# Allegro board AM335x_ICE_3H0013_PCB_REV_2_1A.brd (continued)
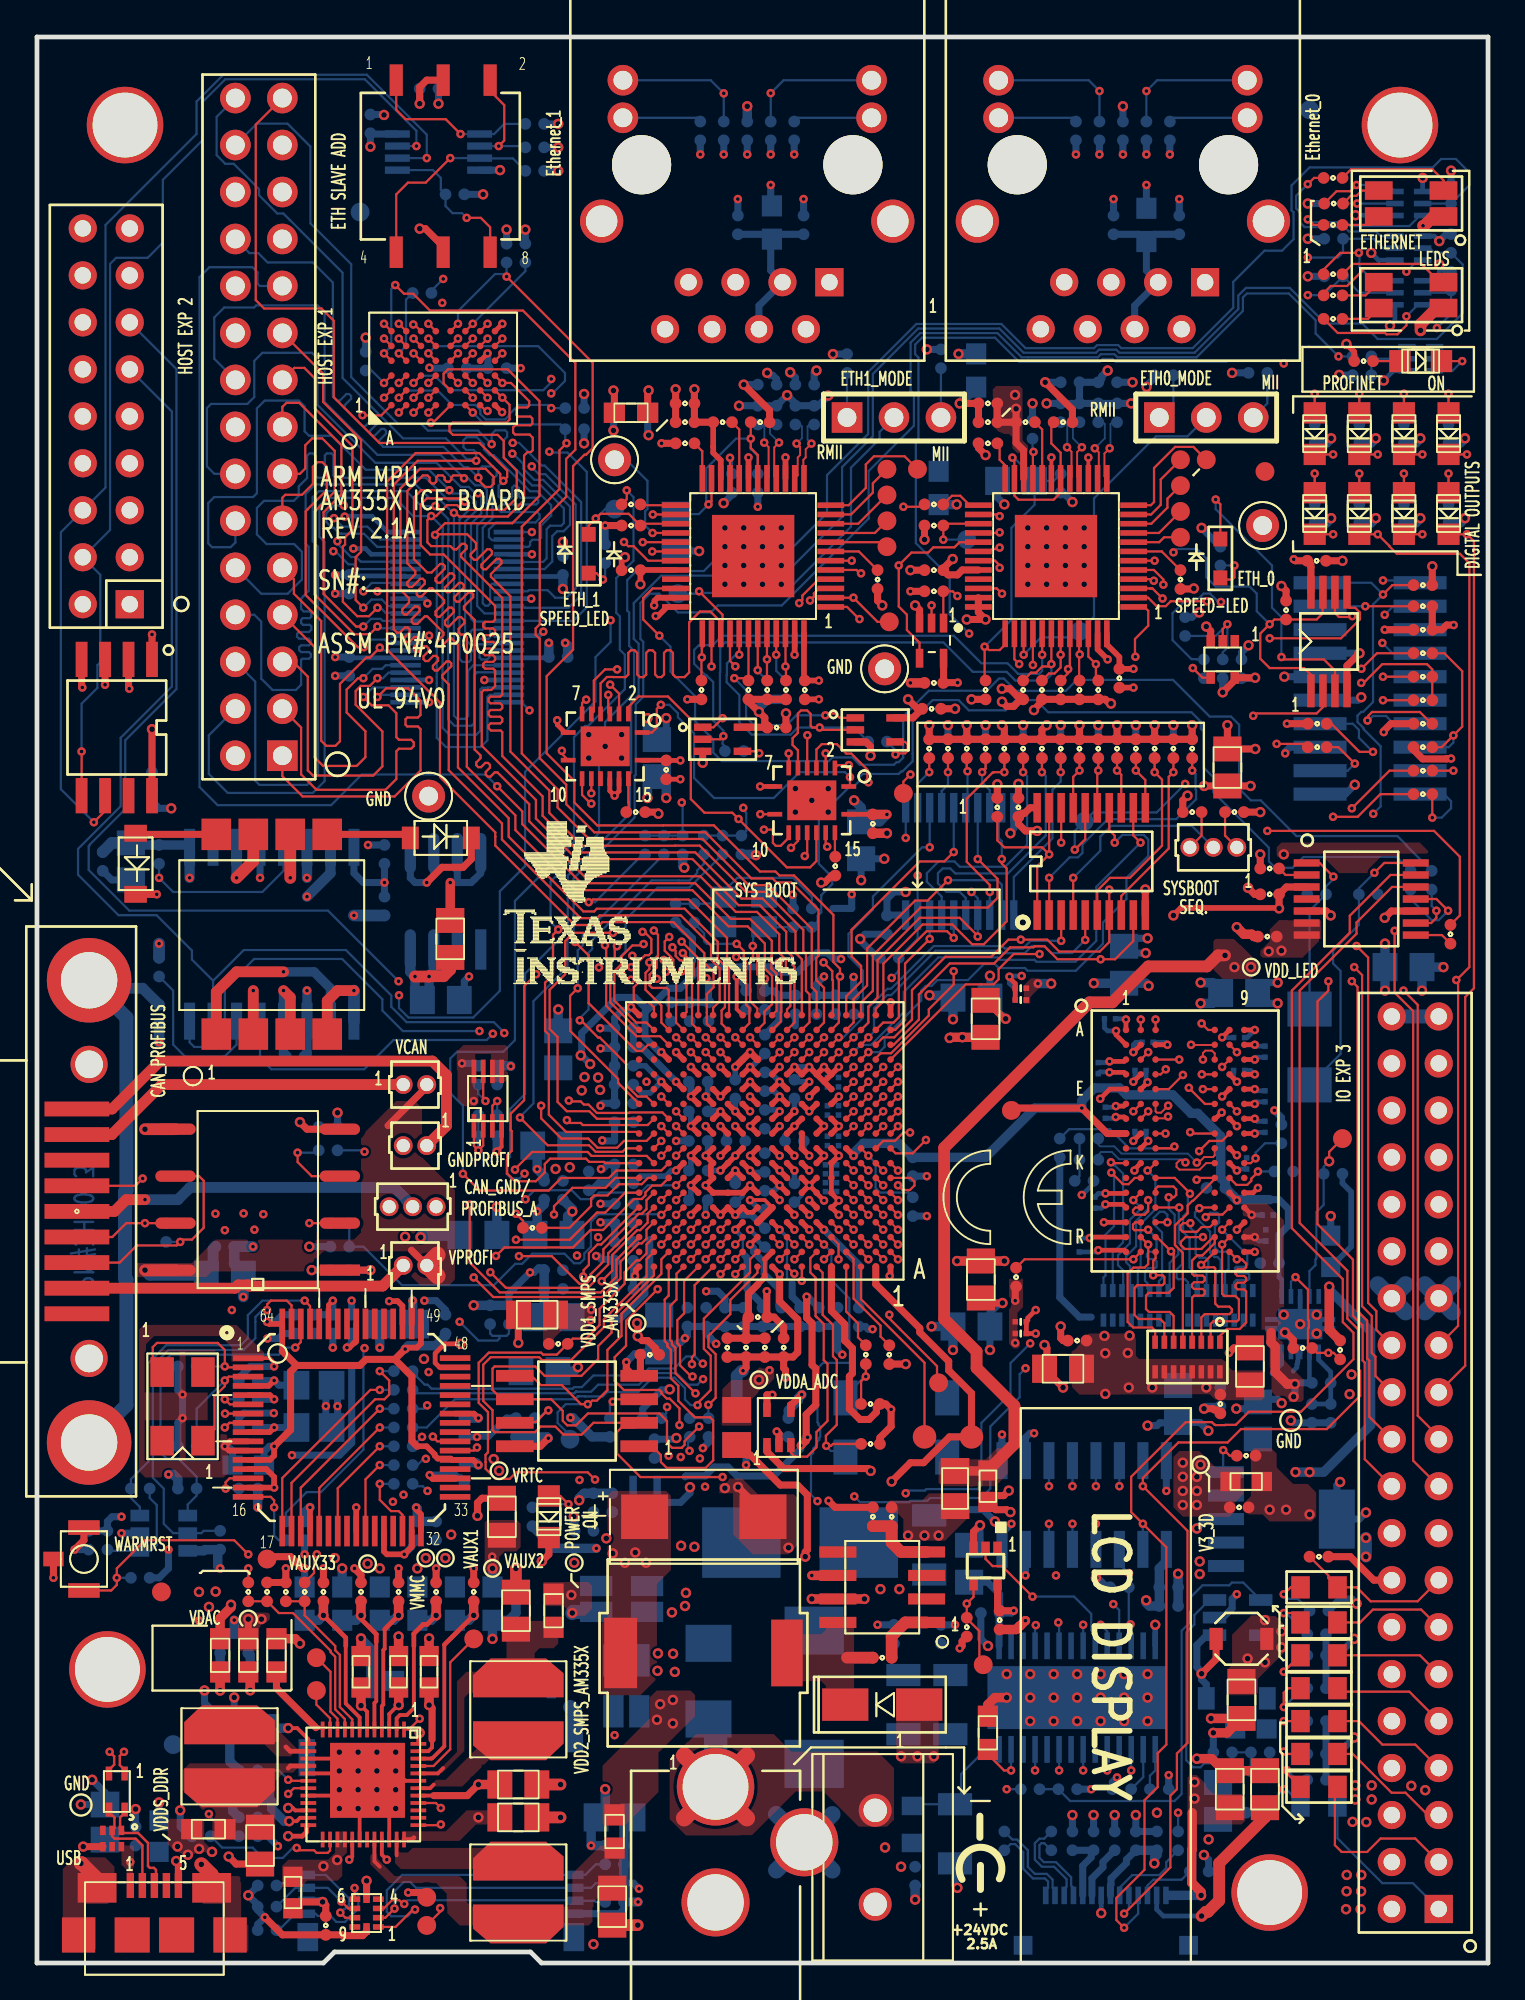
[diagram p0: board, top side]
## Footprints (pads in the part's own frame, mm; a bottom-side part is the same pattern mirrored in y, then rotated) (continued)
CNRAPC722
  round 4.191 hole 3.556: 1(0,0)
  round 3.683 hole 3.048: 2(4.801,-2.997) 3(0,-6.248)
CNRJ45-1X1WLED
  round 3.2 hole 3.2 unplated: (-1.27,-6.35) (10.16,-6.35)
  rect 1.525x1.525 hole 0.89: 1(0,0)
  round 1.525 hole 0.89: 2(1.27,2.54) 3(2.54,0) 4(3.81,2.54) 5(5.08,0) 6(6.35,2.54) 7(7.62,0) 8(8.89,2.54)
  round 1.655 hole 1.02: 9(11.17,-8.89) 10(11.17,-10.92) 11(-2.28,-8.89) 12(-2.28,-10.92)
  round 2.337 hole 1.702: 13(-3.43,-3.3) 14(12.32,-3.3)
CON14_P5MM_3P75X9P5SMD
  rect 1.016x1.016 smd: (-1.025,-4.475) (-1.025,4.475)
  rect 0.95x0.305 smd: 1(1.675,3.25) 2(1.675,2.75) 3(1.675,2.25) 4(1.675,1.75) 5(1.675,1.25) 6(1.675,0.75) 7(1.675,0.25) 8(1.675,-0.25) 9(1.675,-0.75) 10(1.675,-1.25) 11(1.675,-1.75) 12(1.675,-2.25) 13(1.675,-2.75) 14(1.675,-3.25)
CONN_OSTTC02
  round 1.778 hole 1.27: 1(0,0) 2(5.08,0)
DA2304
  rect 1.7x1.6 smd: 1(-5.4,3) 2(-5.4,1) 3(-5.4,-1) 4(-5.4,-3) 5(5.4,-3) 6(5.4,-1) 7(5.4,1) 8(5.4,3)
DBV5
  rect 0.635x1.27 smd: 1(-0.95,-1.25) 2(0,-1.25) 3(0.95,-1.25) 4(0.95,1.25) 5(-0.95,1.25)
DCK5
  rect 0.46x0.66 smd: 1(-0.65,-0.991) 2(0,-0.991) 3(0.65,-0.991) 4(0.65,0.991) 5(-0.65,0.991)
DO157LS_116X220SMA
  rect 2.5x1.75 smd: 1(-2,0) 2(2,0)
DRCPSO_10PIN
  rect 0.8x0.25 smd: 1(-1.5,1) 2(-1.5,0.5) 3(-1.5,0) 4(-1.5,-0.5) 5(-1.5,-1) 6(1.5,-1) 7(1.5,-0.5) 8(1.5,0) 9(1.5,0.5) 10(1.5,1)
  custom 1.65x3.8 smd: 11(0,0)
EXB-2HV330JV
  rect 0.305x0.711 smd: 1(-1.75,-0.8) 2(-1.25,-0.8) 3(-0.75,-0.8) 4(-0.25,-0.8) 5(0.25,-0.8) 6(0.75,-0.8) 7(1.25,-0.8) 8(1.75,-0.8) 9(1.75,0.8) 10(1.25,0.8) 11(0.75,0.8) 12(0.25,0.8) 13(-0.25,0.8) 14(-0.75,0.8) 15(-1.25,0.8) 16(-1.75,0.8)
HDR2X9VER_335M
  rect 1.524x1.524 hole 0.889: 1(0,0)
  round 1.524 hole 0.889: 2(0,2.54) 3(2.54,0) 4(2.54,2.54) 5(5.08,0) 6(5.08,2.54) 7(7.62,0) 8(7.62,2.54) 9(10.16,0) 10(10.16,2.54) 11(12.7,0) 12(12.7,2.54) 13(15.24,0) 14(15.24,2.54) 15(17.78,0) 16(17.78,2.54) 17(20.32,0) 18(20.32,2.54)
HDR2X15-344M
  rect 1.655x1.655 hole 1.02: 1(0,0)
  round 1.655 hole 1.02: 2(0,2.54) 3(2.54,0) 4(2.54,2.54) 5(5.08,0) 6(5.08,2.54) 7(7.62,0) 8(7.62,2.54) 9(10.16,0) 10(10.16,2.54) 11(12.7,0) 12(12.7,2.54) 13(15.24,0) 14(15.24,2.54) 15(17.78,0) 16(17.78,2.54) 17(20.32,0) 18(20.32,2.54) 19(22.86,0) 20(22.86,2.54) 21(25.4,0) 22(25.4,2.54) 23(27.94,0) 24(27.94,2.54) 25(30.48,0) 26(30.48,2.54) 27(33.02,0) 28(33.02,2.54) 29(35.56,0) 30(35.56,2.54)
HDR2X20-335M
  rect 1.524x1.524 hole 0.889: 1(0,0)
  round 1.524 hole 0.889: 2(0,2.54) 3(2.54,0) 4(2.54,2.54) 5(5.08,0) 6(5.08,2.54) 7(7.62,0) 8(7.62,2.54) 9(10.16,0) 10(10.16,2.54) 11(12.7,0) 12(12.7,2.54) 13(15.24,0) 14(15.24,2.54) 15(17.78,0) 16(17.78,2.54) 17(20.32,0) 18(20.32,2.54) 19(22.86,0) 20(22.86,2.54) 21(25.4,0) 22(25.4,2.54) 23(27.94,0) 24(27.94,2.54) 25(30.48,0) 26(30.48,2.54) 27(33.02,0) 28(33.02,2.54) 29(35.56,0) 30(35.56,2.54) 31(38.1,0) 32(38.1,2.54) 33(40.64,0) 34(40.64,2.54) 35(43.18,0) 36(43.18,2.54) 37(45.72,0) 38(45.72,2.54) 39(48.26,0) 40(48.26,2.54)
HEADER10X2
  rect 0.711x2.87 smd: 1(-5.715,-2.705) 2(-5.715,2.705) 3(-4.445,-2.705) 4(-4.445,2.705) 5(-3.175,-2.705) 6(-3.175,2.705) 7(-1.905,-2.705) 8(-1.905,2.705) 9(-0.635,-2.705) 10(-0.635,2.705) 11(0.635,-2.705) 12(0.635,2.705) 13(1.905,-2.705) 14(1.905,2.705) 15(3.175,-2.705) 16(3.175,2.705) 17(4.445,-2.705) 18(4.445,2.705) 19(5.715,-2.705) 20(5.715,2.705)
HEADER_3X1
  rect 1.651x1.651 hole 1.016: 1(0,0)
  round 1.651 hole 1.016: 2(2.54,0) 3(5.08,0)
HTQFP_48PIN
  rect 1.45x0.3 smd: 1(-4.2,2.75) 2(-4.2,2.25) 3(-4.2,1.75) 4(-4.2,1.25) 5(-4.2,0.75) 6(-4.2,0.25) 7(-4.2,-0.25) 8(-4.2,-0.75) 9(-4.2,-1.25) 10(-4.2,-1.75) 11(-4.2,-2.25) 12(-4.2,-2.75) 25(4.2,-2.75) 26(4.2,-2.25) 27(4.2,-1.75) 28(4.2,-1.25) 29(4.2,-0.75) 30(4.2,-0.25) 31(4.2,0.25) 32(4.2,0.75) 33(4.2,1.25) 34(4.2,1.75) 35(4.2,2.25) 36(4.2,2.75)
  rect 0.3x1.45 smd: 13(-2.75,-4.2) 14(-2.25,-4.2) 15(-1.75,-4.2) 16(-1.25,-4.2) 17(-0.75,-4.2) 18(-0.25,-4.2) 19(0.25,-4.2) 20(0.75,-4.2) 21(1.25,-4.2) 22(1.75,-4.2) 23(2.25,-4.2) 24(2.75,-4.2) 37(2.75,4.2) 38(2.25,4.2) 39(1.75,4.2) 40(1.25,4.2) 41(0.75,4.2) 42(0.25,4.2) 43(-0.25,4.2) 44(-0.75,4.2) 45(-1.25,4.2) 46(-1.75,4.2) 47(-2.25,4.2) 48(-2.75,4.2)
  rect 4.45x4.45 smd: 49(0,0)
IND108SMD_110X102
  rect 0.711x1.194 smd: 1(-1.372,0) 2(1.372,0)
IND_354SMD_400SQ
  rect 1.702x3.607 smd: 1(-4.496,0)
  rect 1.778x3.81 smd: 2(4.496,0)
LED-SM1210
  rect 1.5x1 smd: 1(-1.75,0.7) 2(-1.75,-0.7) 3(1.75,0.7) 4(1.75,-0.7)
LEDLTST-S220
  rect 0.8x0.75 smd: 1(-1.05,0) 2(1.05,0)
LQFP64_10X10
  rect 1.651x0.305 smd: 1(-5.6,3.75) 2(-5.6,3.25) 3(-5.6,2.75) 4(-5.6,2.25) 5(-5.6,1.75) 6(-5.6,1.25) 7(-5.6,0.75) 8(-5.6,0.25) 9(-5.6,-0.25) 10(-5.6,-0.75) 11(-5.6,-1.25) 12(-5.6,-1.75) 13(-5.6,-2.25) 14(-5.6,-2.75) 15(-5.6,-3.25) 16(-5.6,-3.75) 33(5.6,-3.75) 34(5.6,-3.25) 35(5.6,-2.75) 36(5.6,-2.25) 37(5.6,-1.75) 38(5.6,-1.25) 39(5.6,-0.75) 40(5.6,-0.25) 41(5.6,0.25) 42(5.6,0.75) 43(5.6,1.25) 44(5.6,1.75) 45(5.6,2.25) 46(5.6,2.75) 47(5.6,3.25) 48(5.6,3.75)
  rect 0.305x1.651 smd: 17(-3.75,-5.6) 18(-3.25,-5.6) 19(-2.75,-5.6) 20(-2.25,-5.6) 21(-1.75,-5.6) 22(-1.25,-5.6) 23(-0.75,-5.6) 24(-0.25,-5.6) 25(0.25,-5.6) 26(0.75,-5.6) 27(1.25,-5.6) 28(1.75,-5.6) 29(2.25,-5.6) 30(2.75,-5.6) 31(3.25,-5.6) 32(3.75,-5.6) 49(3.75,5.6) 50(3.25,5.6) 51(2.75,5.6) 52(2.25,5.6) 53(1.75,5.6) 54(1.25,5.6) 55(0.75,5.6) 56(0.25,5.6) 57(-0.25,5.6) 58(-0.75,5.6) 59(-1.25,5.6) 60(-1.75,5.6) 61(-2.25,5.6) 62(-2.75,5.6) 63(-3.25,5.6) 64(-3.75,5.6)
MBR0520L
  rect 0.914x1.219 smd: 1(1.651,0) 2(-1.651,0)
MBRS140T
  rect 2.007x2.489 smd: 1(-2.045,0) 2(2.045,0)
MC-306
  rect 1.3x1.9 smd: 1(-2.75,-1.6) 2(2.75,-1.6) 3(2.75,1.6) 4(-2.75,1.6)
MH163X138PL
  round 4.14 hole 3.505: 1(0,0)
MSOP3X3-8-43M
  rect 1.35x0.4 smd: 1(-2.225,0.975) 2(-2.225,0.325) 3(-2.225,-0.325) 4(-2.225,-0.975) 5(2.225,-0.975) 6(2.225,-0.325) 7(2.225,0.325) 8(2.225,0.975)
NORCOMP_DB9F_SMD
  round 2.007 hole 1.499 unplated: (-7.95,-0.66) (7.95,-0.66)
  rect 0.8x3.5 smd: 1(-5.537,0) 2(-2.769,0) 3(0,0) 4(2.769,0) 5(5.537,0) 6(-4.153,0) 7(-1.384,0) 8(1.384,0) 9(4.153,0)
  round 4.572 hole 3.048: 10(-12.497,-0.66) 11(12.497,-0.66)
PW8
  rect 0.406x1.778 smd: 1(-0.975,-2.667) 2(-0.325,-2.667) 3(0.325,-2.667) 4(0.975,-2.667) 5(0.975,2.667) 6(0.325,2.667) 7(-0.325,2.667) 8(-0.975,2.667)
QFN4X3P5-16-39M
  rect 0.25x0.8 smd: 1(-0.75,2) 8(-0.75,-2) 9(0.75,-2) 16(0.75,2)
  rect 0.8x0.25 smd: 2(-1.75,1.25) 3(-1.75,0.75) 4(-1.75,0.25) 5(-1.75,-0.25) 6(-1.75,-0.75) 7(-1.75,-1.25) 10(1.75,-1.25) 11(1.75,-0.75) 12(1.75,-0.25) 13(1.75,0.25) 14(1.75,0.75) 15(1.75,1.25)
  rect 2.15x2.65 smd: 17(0,0)
SC70-5
  rect 0.406x0.762 smd: 1(-0.648,-0.953) 2(0,-0.953) 3(0.648,-0.953) 4(0.648,0.953) 5(-0.648,0.953)
SC70-5-43M
  rect 0.95x0.4 smd: 1(-1.075,0.65) 2(-1.075,0) 3(-1.075,-0.65) 4(1.075,-0.65) 5(1.075,0.65)
SD-MICRO-SCHA5B0300
  rect 0.914x0.457 smd: 1(-7.257,0) 2(-7.257,-0.7) 3(-7.257,-1.4) 4(-7.257,-2.1) 5(7.257,-2.1) 6(7.257,-1.4) 7(7.257,-0.7) 8(7.257,0)
  rect 0.508x0.889 smd: 9(3.775,9.989) 10(-5.975,9.989)
  rect 0.889x2.007 smd: 11(-7.25,7.635) 12(7.25,6.335)
  rect 1.118x1.524 smd: 13(-7.196,-3.365) 14(7.196,-3.365)
  rect 1.194x1.092 smd: 15(-3.425,10.488) 16(2.575,10.488)
SIP2_50LS
  round 1.016 hole 0.711: 1(0,0) 2(0,-1.27)
SIP3_50LS
  round 1.016 hole 0.711: 1(0,0) 2(0,-1.27) 3(0,-2.54)
SM-7351-CAP-0402
  round 0.635 smd: 1(-0.508,0) 2(0.508,0)
SM-7351-CAP-0603
  rect 1.092x1.041 smd: 1(-0.85,0) 2(0.85,0)
SM-7351-CAP-0805
  rect 1.346x1.524 smd: 1(-1,0) 2(1,0)
SM-7351-CAP-1206
  rect 1.2x1.85 smd: 1(1.6,0) 2(-1.6,0)
SM-7351-IND-0805
  rect 1.397x1.549 smd: 1(-0.95,0) 2(0.95,0)
SM-7351-RES-0402
  round 0.635 smd: 1(-0.508,0) 2(0.508,0)
SM-7351-RES-0603
  rect 1.143x1.092 smd: 1(-0.9,0) 2(0.9,0)
SM-SO-SC70-5
  rect 0.406x1.016 smd: 1(-0.65,-0.95) 2(0,-0.95) 3(0.65,-0.95) 4(0.65,0.95) 5(-0.65,0.95)
SM_LED_0805
  rect 1.15x1.194 smd: 1(1.125,0) 2(-1.125,0)
SM_OSC_ABM3
  rect 1.9x2.4 smd: 1(-2.05,0) 2(2.05,0)
SM_RES_LVK12
  rect 1.75x1.1 smd: 1(-1.375,0.7) 2(1.375,0.7) 3(-1.375,-0.7) 4(1.375,-0.7)
SMCJ36CA
  rect 2.6x3.2 smd: 1(-3.6,0) 2(3.6,0)
SMD0201
  rect 0.3x0.3 smd: 1(-0.3,0) 2(0.3,0)
SMD_MELF0102
  rect 1x1.2 smd: 1(-1,0) 2(1,0)
SMDFUSEBLK
  rect 4.242x3.81 smd: 1(-3.175,0) 2(3.175,0)
SMDSC70-5
  rect 0.406x1.016 smd: 1(-0.65,-0.95) 2(0,-0.95) 3(0.65,-0.95) 4(0.65,0.95) 5(-0.65,0.95)
SMINI6-F3-B
  rect 0.305x0.95 smd: 1(0.65,0.75) 2(0,0.75) 3(-0.65,0.75) 4(-0.65,-0.75) 5(0,-0.75) 6(0.65,-0.75)
SO8_W_DUB
  rect 0.61x2.184 smd: 1(-1.905,-4.445)
  oval 0.61x2.184 smd: 2(0.635,-4.445) 3(3.175,-4.445) 4(5.715,-4.445) 5(5.715,4.445) 6(3.175,4.445) 7(0.635,4.445) 8(-1.905,4.445)
SOIC8_208
  rect 0.635x1.905 smd: 1(-1.905,-3.683) 2(-0.635,-3.683) 3(0.635,-3.683) 4(1.905,-3.683) 5(1.905,3.683) 6(0.635,3.683) 7(-0.635,3.683) 8(-1.905,3.683)
SOIC8_265
  rect 2.032x0.635 smd: 1(-3.365,1.905) 2(-3.365,0.635) 3(-3.365,-0.635) 4(-3.365,-1.905) 5(3.365,-1.905) 6(3.365,-0.635) 7(3.365,0.635) 8(3.365,1.905)
SOIC-8
  rect 0.6x2 smd: 1(-1.905,-2.4) 2(-0.635,-2.4) 3(0.635,-2.4) 4(1.905,-2.4) 5(1.905,2.4) 6(0.635,2.4) 7(-0.635,2.4) 8(-1.905,2.4)
SOIC_8
  rect 0.61x2.184 smd: 1(-1.905,-2.603)
  oval 0.61x2.184 smd: 2(-0.635,-2.603) 3(0.635,-2.603) 4(1.905,-2.603) 5(1.905,2.603) 6(0.635,2.603) 7(-0.635,2.603) 8(-1.905,2.603)
SOT23-6
  rect 0.635x1.016 smd: 1(-0.953,-1.295) 2(0,-1.295) 3(0.953,-1.295) 4(0.953,1.295) 5(0,1.295) 6(-0.953,1.295)
SOT223_6PIN
  rect 0.65x1.95 smd: 1(-2.54,-3) 2(-1.27,-3) 3(0,-3) 4(1.27,-3) 5(2.54,-3)
  rect 3.2x1.95 smd: 6(0,3)
SW3_4X2P5
  rect 0.787x1.702 smd: 1(-1.7,0) 2(1.7,0)
  rect 0.787x1.092 smd: 3(0,-1.65)
SW-ND3FR10
  rect 0.711x1.702 smd: 1(-2.54,4.651) 2(2.54,4.651) 4(-2.54,-4.651) 8(2.54,-4.651) C1(0,4.651) C2(0,-4.651)
TFBGA48
  round 0.356 smd: A1(-2,2.8) A2(-1.2,2.8) A3(-0.4,2.8) A4(0.4,2.8) A5(1.2,2.8) A6(2,2.8) B1(-2,2) B2(-1.2,2) B3(-0.4,2) B4(0.4,2) B5(1.2,2) B6(2,2) C1(-2,1.2) C2(-1.2,1.2) C3(-0.4,1.2) C4(0.4,1.2) C5(1.2,1.2) C6(2,1.2) D1(-2,0.4) D2(-1.2,0.4) D3(-0.4,0.4) D4(0.4,0.4) D5(1.2,0.4) D6(2,0.4) E1(-2,-0.4) E2(-1.2,-0.4) E3(-0.4,-0.4) E4(0.4,-0.4) E5(1.2,-0.4) E6(2,-0.4) F1(-2,-1.2) F2(-1.2,-1.2) F3(-0.4,-1.2) F4(0.4,-1.2) F5(1.2,-1.2) F6(2,-1.2) G1(-2,-2) G2(-1.2,-2) G3(-0.4,-2) G4(0.4,-2) G5(1.2,-2) G6(2,-2) H1(-2,-2.8) H2(-1.2,-2.8) H3(-0.4,-2.8) H4(0.4,-2.8) H5(1.2,-2.8) H6(2,-2.8)
TH_TP_5002
  round 1.778 hole 1.016: 1(0,0)
TP60C_SMD
  round 1.27 smd: 1(0,0)
TP_SMD1MMCIRCLE
  round 1.016 smd: 1(0,0)
TSSOP4X6-20
  rect 0.4x1.6 smd: 1(-2.925,-2.9) 2(-2.275,-2.9) 3(-1.625,-2.9) 4(-0.975,-2.9) 5(-0.325,-2.9) 6(0.325,-2.9) 7(0.975,-2.9) 8(1.625,-2.9) 9(2.275,-2.9) 10(2.925,-2.9) 11(2.925,2.9) 12(2.275,2.9) 13(1.625,2.9) 14(0.975,2.9) 15(0.325,2.9) 16(-0.325,2.9) 17(-0.975,2.9) 18(-1.625,2.9) 19(-2.275,2.9) 20(-2.925,2.9)
TSSOP5X4-14-47M
  rect 1.4x0.4 smd: 1(-2.95,1.95) 2(-2.95,1.3) 3(-2.95,0.65) 4(-2.95,0) 5(-2.95,-0.65) 6(-2.95,-1.3) 7(-2.95,-1.95) 8(2.95,-1.95) 9(2.95,-1.3) 10(2.95,-0.65) 11(2.95,0) 12(2.95,0.65) 13(2.95,1.3) 14(2.95,1.95)
TVSOP-48
  rect 0.254x1.651 smd: 1(-4.6,-2.794) 2(-4.2,-2.794) 3(-3.8,-2.794) 4(-3.4,-2.794) 5(-3,-2.794) 6(-2.6,-2.794) 7(-2.2,-2.794) 8(-1.8,-2.794) 9(-1.4,-2.794) 10(-1,-2.794) 11(-0.6,-2.794) 12(-0.2,-2.794) 13(0.2,-2.794) 14(0.6,-2.794) 15(1,-2.794) 16(1.4,-2.794) 17(1.8,-2.794) 18(2.2,-2.794) 19(2.6,-2.794) 20(3,-2.794) 21(3.4,-2.794) 22(3.8,-2.794) 23(4.2,-2.794) 24(4.6,-2.794) 25(4.6,2.794) 26(4.2,2.794) 27(3.8,2.794) 28(3.4,2.794) 29(3,2.794) 30(2.6,2.794) 31(2.2,2.794) 32(1.8,2.794) 33(1.4,2.794) 34(1,2.794) 35(0.6,2.794) 36(0.2,2.794) 37(-0.2,2.794) 38(-0.6,2.794) 39(-1,2.794) 40(-1.4,2.794) 41(-1.8,2.794) 42(-2.2,2.794) 43(-2.6,2.794) 44(-3,2.794) 45(-3.4,2.794) 46(-3.8,2.794) 47(-4.2,2.794) 48(-4.6,2.794)
U_6_DRY
  rect 0.305x0.508 smd: 1(-0.5,-0.439) 2(0,-0.439) 3(0.5,-0.439) 4(0.5,0.439) 5(0,0.439) 6(-0.5,0.439)
U_8_DCU
  rect 0.254x1.27 smd: 1(-0.749,-1.473) 2(-0.249,-1.473) 3(0.249,-1.473) 4(0.749,-1.473) 5(0.749,1.473) 6(0.249,1.473) 7(-0.249,1.473) 8(-0.749,1.473)
U_10_RSE
  rect 0.3x0.58 smd: 1(-0.75,-0.635) 2(-0.25,-0.635) 3(0.25,-0.635) 4(0.75,-0.635) 6(0.75,0.635) 7(0.25,0.635) 8(-0.25,0.635) 9(-0.75,0.635)
  rect 0.63x0.35 smd: 5(0.86,0) 10(-0.86,0)
U_16_D
  rect 0.6x2 smd: 1(-4.445,-2.4) 2(-3.175,-2.4) 3(-1.905,-2.4) 4(-0.635,-2.4) 5(0.635,-2.4) 6(1.905,-2.4) 7(3.175,-2.4) 8(4.445,-2.4) 9(4.445,2.4) 10(3.175,2.4) 11(1.905,2.4) 12(0.635,2.4) 13(-0.635,2.4) 14(-1.905,2.4) 15(-3.175,2.4) 16(-4.445,2.4)
U_16_DW
  rect 0.6x2 smd: 1(-4.445,-4.7) 2(-3.175,-4.7) 3(-1.905,-4.7) 4(-0.635,-4.7) 5(0.635,-4.7) 6(1.905,-4.7) 7(3.175,-4.7) 8(4.445,-4.7) 9(4.445,4.7) 10(3.175,4.7) 11(1.905,4.7) 12(0.635,4.7) 13(-0.635,4.7) 14(-1.905,4.7) 15(-3.175,4.7) 16(-4.445,4.7)
U_28_PWP
  rect 0.3x1.45 smd: 1(-4.225,-2.8) 2(-3.575,-2.8) 3(-2.925,-2.8) 4(-2.275,-2.8) 5(-1.625,-2.8) 6(-0.975,-2.8) 7(-0.325,-2.8) 8(0.325,-2.8) 9(0.975,-2.8) 10(1.625,-2.8) 11(2.275,-2.8) 12(2.925,-2.8) 13(3.575,-2.8) 14(4.225,-2.8) 15(4.225,2.8) 16(3.575,2.8) 17(2.925,2.8) 18(2.275,2.8) 19(1.625,2.8) 20(0.975,2.8) 21(0.325,2.8) 22(-0.325,2.8) 23(-0.975,2.8) 24(-1.625,2.8) 25(-2.275,2.8) 26(-2.925,2.8) 27(-3.575,2.8) 28(-4.225,2.8)
  rect 9.7x3.4 smd: TH_PD(0,0)
U_48_RSL
  rect 0.85x0.2 smd: 1(-2.975,2.2) 2(-2.975,1.8) 3(-2.975,1.4) 4(-2.975,1) 5(-2.975,0.6) 6(-2.975,0.2) 7(-2.975,-0.2) 8(-2.975,-0.6) 9(-2.975,-1) 10(-2.975,-1.4) 11(-2.975,-1.8) 12(-2.975,-2.2) 25(2.975,-2.2) 26(2.975,-1.8) 27(2.975,-1.4) 28(2.975,-1) 29(2.975,-0.6) 30(2.975,-0.2) 31(2.975,0.2) 32(2.975,0.6) 33(2.975,1) 34(2.975,1.4) 35(2.975,1.8) 36(2.975,2.2)
  rect 0.2x0.85 smd: 13(-2.2,-2.975) 14(-1.8,-2.975) 15(-1.4,-2.975) 16(-1,-2.975) 17(-0.6,-2.975) 18(-0.2,-2.975) 19(0.2,-2.975) 20(0.6,-2.975) 21(1,-2.975) 22(1.4,-2.975) 23(1.8,-2.975) 24(2.2,-2.975) 37(2.2,2.975) 38(1.8,2.975) 39(1.4,2.975) 40(1,2.975) 41(0.6,2.975) 42(0.2,2.975) 43(-0.2,2.975) 44(-0.6,2.975) 45(-1,2.975) 46(-1.4,2.975) 47(-1.8,2.975) 48(-2.2,2.975)
  rect 4.05x4.05 smd: PPAD(-0.225,0.225)
unnamed#2
  round 1.016 smd: 1(0,0)
VLCF5020T
  custom 2.1x4.9 smd: 1(-1.7,0) 2(1.7,0)
XTAL4_3P2X2P5_SMD
  rect 1.397x1.143 smd: 1(-1.1,-0.8) 2(1.1,-0.8) 3(1.1,0.8) 4(-1.1,0.8)
XTAL4_3P2X5SMD
  rect 1.6x1.27 smd: 1(-1.854,-1.105) 2(1.854,-1.105) 3(1.854,1.105) 4(-1.854,1.105)
ZX62-AB-5PA
  rect 1.9x1.9 smd: (-1.2,-2.675) (1.2,-2.675)
  rect 0.4x1.35 smd: 1(-1.3,0) 2(-0.65,0) 3(0,0) 4(0.65,0) 5(1.3,0)
  rect 2.1x1.6 smd: S1(-3.1,-0.125) S2(3.1,-0.125)
  rect 1.8x1.9 smd: S3(-4.1,-2.675) S4(4.1,-2.675)

## Nets
AGND_CAN: J9.10 J9.11 R175.1(P1)
AGND_PRUETH0: C2.2 C5.2 R242.1(P1) U3.15(AGND#15) U3.19(AGND#19)
AGND_PRUETH1: C1.2 C3.2 R239.1(P1) U2.15(AGND#15) U2.19(AGND#19)
AGNDFRAME_PRUETH0: J2.13(SHLD1) J2.14(SHLD2) R91.1(P1)
AGNDFRAME_PRUETH1: J1.13(SHLD1) J1.14(SHLD2) R96.1(P1)
DGND: C4.2 C6.2 C7.2 C8.2 C9.2 C10.2 C11.2 C12.2 C13.2 C14.2 C15.2 C16.2 C17.2 C18.2 C19.2 C20.2 C21.2 C22.2 C23.2 C25.2 C26.2 C27.2 C28.2 C29.2 C30.2 C31.2 C32.2 C37.2 C38.2 C39.2 C41.2 C43.2 C44.2 C45.2 C46.2 C47.2 C48.2 C49.2 C50.2 C51.2 C52.2 C53.2 C54.2 C55.2 C57.2 C58.2 C59.2 C60.2 C61.2 C62.2 C63.2 C64.2 C65.2 C66.2 C67.2 C68.2 C69.2 C70.2 C71.2 C72.2 C73.2 C74.2 C75.2 C76.2 C77.2 C78.2 C79.2 C80.2 C81.2 C82.2 C83.2 C84.2 C85.2 C86.2 C87.2 C88.2 C89.1 C90.1 C91.2 C92.2 C93.2 C94.2 C97.2 C101.2 C102.2 C103.2 C104.2 C105.2 C108.2 C109.1 C110.1 C111.1 C112.2 C113.2 C114.2 C115.2 C116.2 C117.2 C118.2 C119.1 C120.2 C121.1 C122.2 C123.2 C124.2 C125.2 C126.2 C127.2 C128.2 C129.2 C130.2 C131.2 C132.2 C133.2 C134.2 C135.2 C136.2 C137.1 C138.2 C139.2 C140.2 C141.2 C142.2 C143.1 C144.2 C145.2 C146.2 C147.2 C148.2 C149.2 C150.2 C151.2 C152.2 C153.2 C154.2 C155.2 C156.2 C157.1 C158.2 C159.2 C160.1 C161.2 C163.2 C164.2 C165.2 C166.2 C167.2 C168.2 C169.2 C170.2 C171.2 C172.1 C173.1 C174.2 C175.1 C176.2 C177.2 C178.2 C179.1 C180.2 C181.2 C182.2 C183.2 C184.2 C186.2 C187.2 C188.2 C189.2 C190.2 C192.2 C193.2 C194.2 C195.2 C196.2 C197.2 C198.2 C199.2 C200.2 C201.2 C202.1 C203.2 C204.2 C205.2 C206.1 C207.2 C208.1 C209.2 C210.2 C211.1 C212.2 C213.1 C214.2 C215.2 C216.2 C217.2 C218.2 C219.2 C220.2 C221.1 C222.1 C223.2 C224.2 C225.1 C226.2 C227.2 C228.2 C229.1 C230.2 C231.2 C232.1 C233.2 C234.2 C235.2 C236.2 C237.2 C238.2 C239.2 C240.2 C241.2 C242.2 C243.2 C244.2 C245.2 C246.2 C247.2 C248.2 C249.2 C250.2 C251.2 C252.2 C253.2 C254.2 C256.2 C257.2 C258.2 C259.2 C260.2 C261.2 C262.2 C263.2 C264.2 C265.2 C266.2 C267.2 C268.2 C269.2 C272.2 C273.2 C275.2 C277.2 D16.1(CATHODE) D17.2(ANODE) D19.2(ANODE) FB11.2 FB13.1 J1.8 J2.8 J3.2 J3.15 J11.2 J11.3 J12.2 J13.5(GND) J14.17 J14.18 J14.29 J14.30 J15.8(GND#8) J15.10(GND#10) J15.12(GND#12) J15.16(GND#16) J15.20(GND#20) J16.6(VSS) J16.9(GND) J17.8 MH1.1 MH2.1 MH3.1 MH4.1 Q1.1(4) Q1.4 Q2.1(4) Q2.4 Q3.1(4) Q3.4 Q4.1(4) R9.1(P1) R10.1(P1) R14.1(P1) R17.1(P1) R38.1(P1) R40.1(P1) R41.1(P1) R62.1 R65.2(P2) R66.1 R82.1(P1) R87.1(P1) R88.1(P1) R91.2(P2) R96.2(P2) R99.1(P1) R100.1(P1) R102.1(P1) R103.1(P1) R104.1(P1) R106.1(P1) R107.1(P1) R108.1(P1) R109.1(P1) R110.1(P1) R113.1(P1) R115.1(P1) R127.1(P1) R137.1(P1) R157.1(P1) R158.1(P1) R159.1(P1) R160.1(P1) R161.1(P1) R162.1(P1) R163.1(P1) R164.1(P1) R165.1(P1) R166.1(P1) R167.1(P1) R168.1(P1) R169.1(P1) R170.1(P1) R171.1(P1) R174.1(P1) R176.1(P1) R178.1 R183.1 R185.1(P1) R187.1(P1) R188.1 R193.1 R195.1 R221.1(P1) R222.1(P1) R223.1(P1) R229.2(P2) R232.2 R239.2(P2) R242.2(P2) R244.2(P2) R277.1(P1) R278.1(P1) S1.1(A1) TP18.1 TP19.1 U1.H1(VSS1) U1.H6(VSS2) U2.35(IOGND#35) U2.36(DGND) U2.47(IOGND#47) U2.49(GNDPAD) U3.35(IOGND#35) U3.36(DGND) U3.47(IOGND#47) U3.49(GNDPAD) U4.4(GND) U5.3(GND) U6.1(A0) U6.2(A1) U6.3(A2) U6.4(VSS) U7.3(GND) U8.3(GND) U9.8(GND) U9.13(4B2) U9.14(4B1) U9.17(EPAD) U10.3(GND) U11.8(GND) U11.17(EPAD) U12.5(GND1) U12.10(GND2) U13.4(GND) U14.A1(VSS#A1) U14.A18(VSS#A18) U14.F8(VSS#F8) U14.G8(VSS#G8) U14.G9(VSS#G9) U14.G11(VSS#G11) U14.G12(VSS#G12) U14.H6(VSS#H6) U14.H7(VSS#H7) U14.H8(VSS#H8) U14.H9(VSS#H9) U14.H10(VSS#H10) U14.H12(VSS#H12) U14.J6(VSS#J6) U14.J7(VSS#J7) U14.J8(VSS#J8) U14.J9(VSS#J9) U14.J10(VSS#J10) U14.J11(VSS#J11) U14.K7(VSS#K7) U14.K9(VSS#K9) U14.K10(VSS#K10) U14.K11(VSS#K11) U14.L10(VSS#L10) U14.L11(VSS#L11) U14.L12(VSS#L12) U14.L13(VSS#L13) U14.M6(VSS#M6) U14.M7(VSS#M7) U14.M8(VSS#M8) U14.M9(VSS#M9) U14.M10(VSS#M10) U14.M12(VSS#M12) U14.M14(VSSA_USB#M14) U14.N7(VSS#N7) U14.N10(VSS#N10) U14.N11(VSS#N11) U14.N14(VSSA_USB#N14) U14.V1(VSS#V1) U14.V18(VSS#V18) U15.A9(VSS1) U15.B1(VSSQ1) U15.B3(VSS2) U15.B9(VSSQ2) U15.D1(VSSQ3) U15.D8(VSSQ4) U15.E1(VSS3) U15.E2(VSSQ5) U15.E8(VSSQ6) U15.F9(VSSQ7) U15.G1(VSSQ8) U15.G8(VSS4) U15.G9(VSSQ9) U15.J2(VSS5) U15.J8(VSS6) U15.M1(VSS7) U15.M9(VSS8) U15.P1(VSS9) U15.P9(VSS10) U15.T1(VSS11) U15.T9(VSS12) U16.4(GND1) U17.4(GND) U18.1(GND.1) U18.5(GND.2) U18.10(AGND) U18.11(GND.3) U18.13(TEST) U18.15(GND.4) U18.25(GND.5) U18.32(ACBUS5) U18.35(GND.6) U18.47(GND.7) U18.51(GND.8) U19.2(GND) U19.5(GS1) U20.3(GND) U21.6(GND) U22.15(GNDIO) U22.17(REFGND) U22.20(OSC32KIN) U22.30(VFB3) U22.34(GND1) U22.43(GND2) U22.PPAD(GNDP) U23.4(GND) U24.5(GND) U25.4(GND) U26.1(1O\E\) U26.4(GND1) U26.10(GND2) U26.15(GND3) U26.21(GND4) U26.24(2O\E\) U26.28(GND5) U26.34(GND6) U26.39(GND7) U26.45(GND8) U28.3(GND1) U29.4(PGND) U29.8(GND) U29.11(PWRPD) U30.2(GND) U31.7(A2) U31.8(G\) U31.9(A0) U31.10(A1) U31.16(GND) U32.3(GND#3) U32.6(GND#6) U33.2(GND) U34.2(GND) U35.28(GND) U35.TH_PD(THRM) U37.10(GND) U38.10(GND)
GND_EARTH: FB13.2 J13.S1 J13.S2 J13.S3 J13.S4 J16.11(GND3) J16.12(GND4) J16.13(GND5) J16.14(GND6) J16.15(GND7) J16.16(GND8) S1.3(A3)
GND_OSC0: C99.2 C100.2 C106.2 U14.V11(VSS_OSC)
GND_OSC1: C40.1 C42.1 U14.A5(VSS_RTC)
GNDA_ADC: C33.2 C34.2 C35.2 C36.2 FB11.1 J14.38 J14.39 J14.40 U14.A9(VREFN) U14.E8(VSSA_ADC)
GNDPROFI: C24.2(NEG) C95.2 C96.2 C98.2 C107.2 C185.2 C191.2(NEG) J7.2 J8.3 L1.6 L1.7 R153.1(P1) R175.2(P2) U16.5(GND2) U27.3(GND) U27.4(E\N\) U28.9(GND2#9) U28.11(GND2#11) U28.14(GND2#14) U28.15(GND2#15)
V3_3D: C7.1 C8.1 C9.1 C10.1 C11.1 C12.1 C15.1 C17.1 C18.1 C19.1 C20.1 C22.1 C44.1 C46.1 C69.1 C70.1 C75.1 C76.1 C77.1 C78.1 C79.1 C80.1 C85.1 C86.1 C87.1 C88.1 C91.1 C92.1 C93.1 C94.1 C123.1 C190.1 C207.1 C218.1 C219.1 C220.1 C230.1 C231.1 C232.2 C236.1 C238.1 C265.1 C266.1 C275.1 C277.1 FB9.1 FB10.1 FB12.1 J3.1 J15.5(TVDD) J17.7 L1.2 L1.3 R11.1 R15.2(P2) R16.2(P2) R18.2(P2) R19.2(P2) R21.2(P2) R24.2(P2) R25.2(P2) R27.2(P2) R28.2(P2) R29.2(P2) R30.2(P2) R31.2(P2) R32.2(P2) R33.2(P2) R34.2(P2) R75.2(P2) R89.2(P2) R90.2(P2) R92.2(P2) R93.2(P2) R94.2(P2) R95.2(P2) R97.2(P2) R98.2(P2) R101.2(P2) R111.2(P2) R112.1(P1) R114.1(P1) R116.1(P1) R117.1(P1) R118.1(P1) R119.1(P1) R120.1(P1) R121.1(P1) R122.1(P1) R123.1(P1) R124.2(P2) R125.2(P2) R129.2(P2) R130.2(P2) R131.2(P2) R134.2(P2) R135.2(P2) R141.2(P2) R145.2(P2) R148.2(P2) R199.2(P2) R200.2(P2) R205.2(P2) R206.2(P2) R210.2(P2) R211.2(P2) R240.2(P2) R241.2(P2) R279.1(P1) R280.1(P1) SW1.C1 SW1.C2 U1.G4(VCC) U2.32(VDD33_IO#32) U2.48(VDD33_IO#48) U3.32(VDD33_IO#32) U3.48(VDD33_IO#48) U4.8(VCC) U5.5(VCC) U6.8(VCC) U7.5(VCC) U8.5(VCC) U9.16(VCC) U10.5(VCC) U11.16(VCC) U12.6(VDDOUT1) U12.7(VDDOUT2) U16.1(VCC1) U17.8(VCC) U18.20(VCCIO.1) U18.28(ACBUS2) U18.31(VCCIO.2) U18.42(VCCIO.3) U18.56(VCCIO.4) U19.1(GS0) U19.4(VDD) U25.8(VCC) U26.7(VCC1) U26.18(VCC2) U26.31(VCC3) U26.42(VCC4) U28.4(VCC1) U31.1(VCC) U32.4(OUT) U33.6(VCC) U37.20(VCC) U38.20(VCC)
V3_3D_PROFIA: L1.4 U28.1(D1)
V3_3D_PROFIB: L1.1 U28.2(D2)
V3_3D_PRUETH0JCK: C71.1 C72.1 J2.3 J2.4 R280.2(P2)
V3_3D_PRUETH1JCK: C73.1 C74.1 J1.3 J1.4 R279.2(P2)
V5_0D: C48.1 C57.1 C58.1 C59.1 C60.1 C61.1 C64.1 C66.1 C97.1 C217.1 C226.1 C227.1 C228.1 C251.1 C257.1 FB3.2 J14.27 J14.28 L2.1 L3.2 R67.2(P2) R132.1(P1) R133.1(P1) R136.1(P1) R140.1(P1) R143.1(P1) R151.1(P1) R155.1(P1) R173.1(P1) R224.1(P1) U22.3(VCC3) U22.6(VCC6) U22.13(VCCIO) U22.23(VCC5) U22.27(VBACKUP) U22.28(VCC7) U22.36(VCC1) U22.41(VCC2) U22.47(VCC4) U30.1(IN) U30.3(EN) U32.2(IN) U34.5(VIN)